# Altium PCB STM32F103_扩展板.PcbDoc (part 1 of 2)
Units mil, origin at the board's own origin, x right, y up, seen from the top; angles counter-clockwise.
Board outline 6903.02 x 6528.03 mil, 2 copper layers (Top Layer, Bottom Layer); 142 components, 183 nets, 483 pads, 206 vias.
Unrouted connection lines stored in the file: 5.
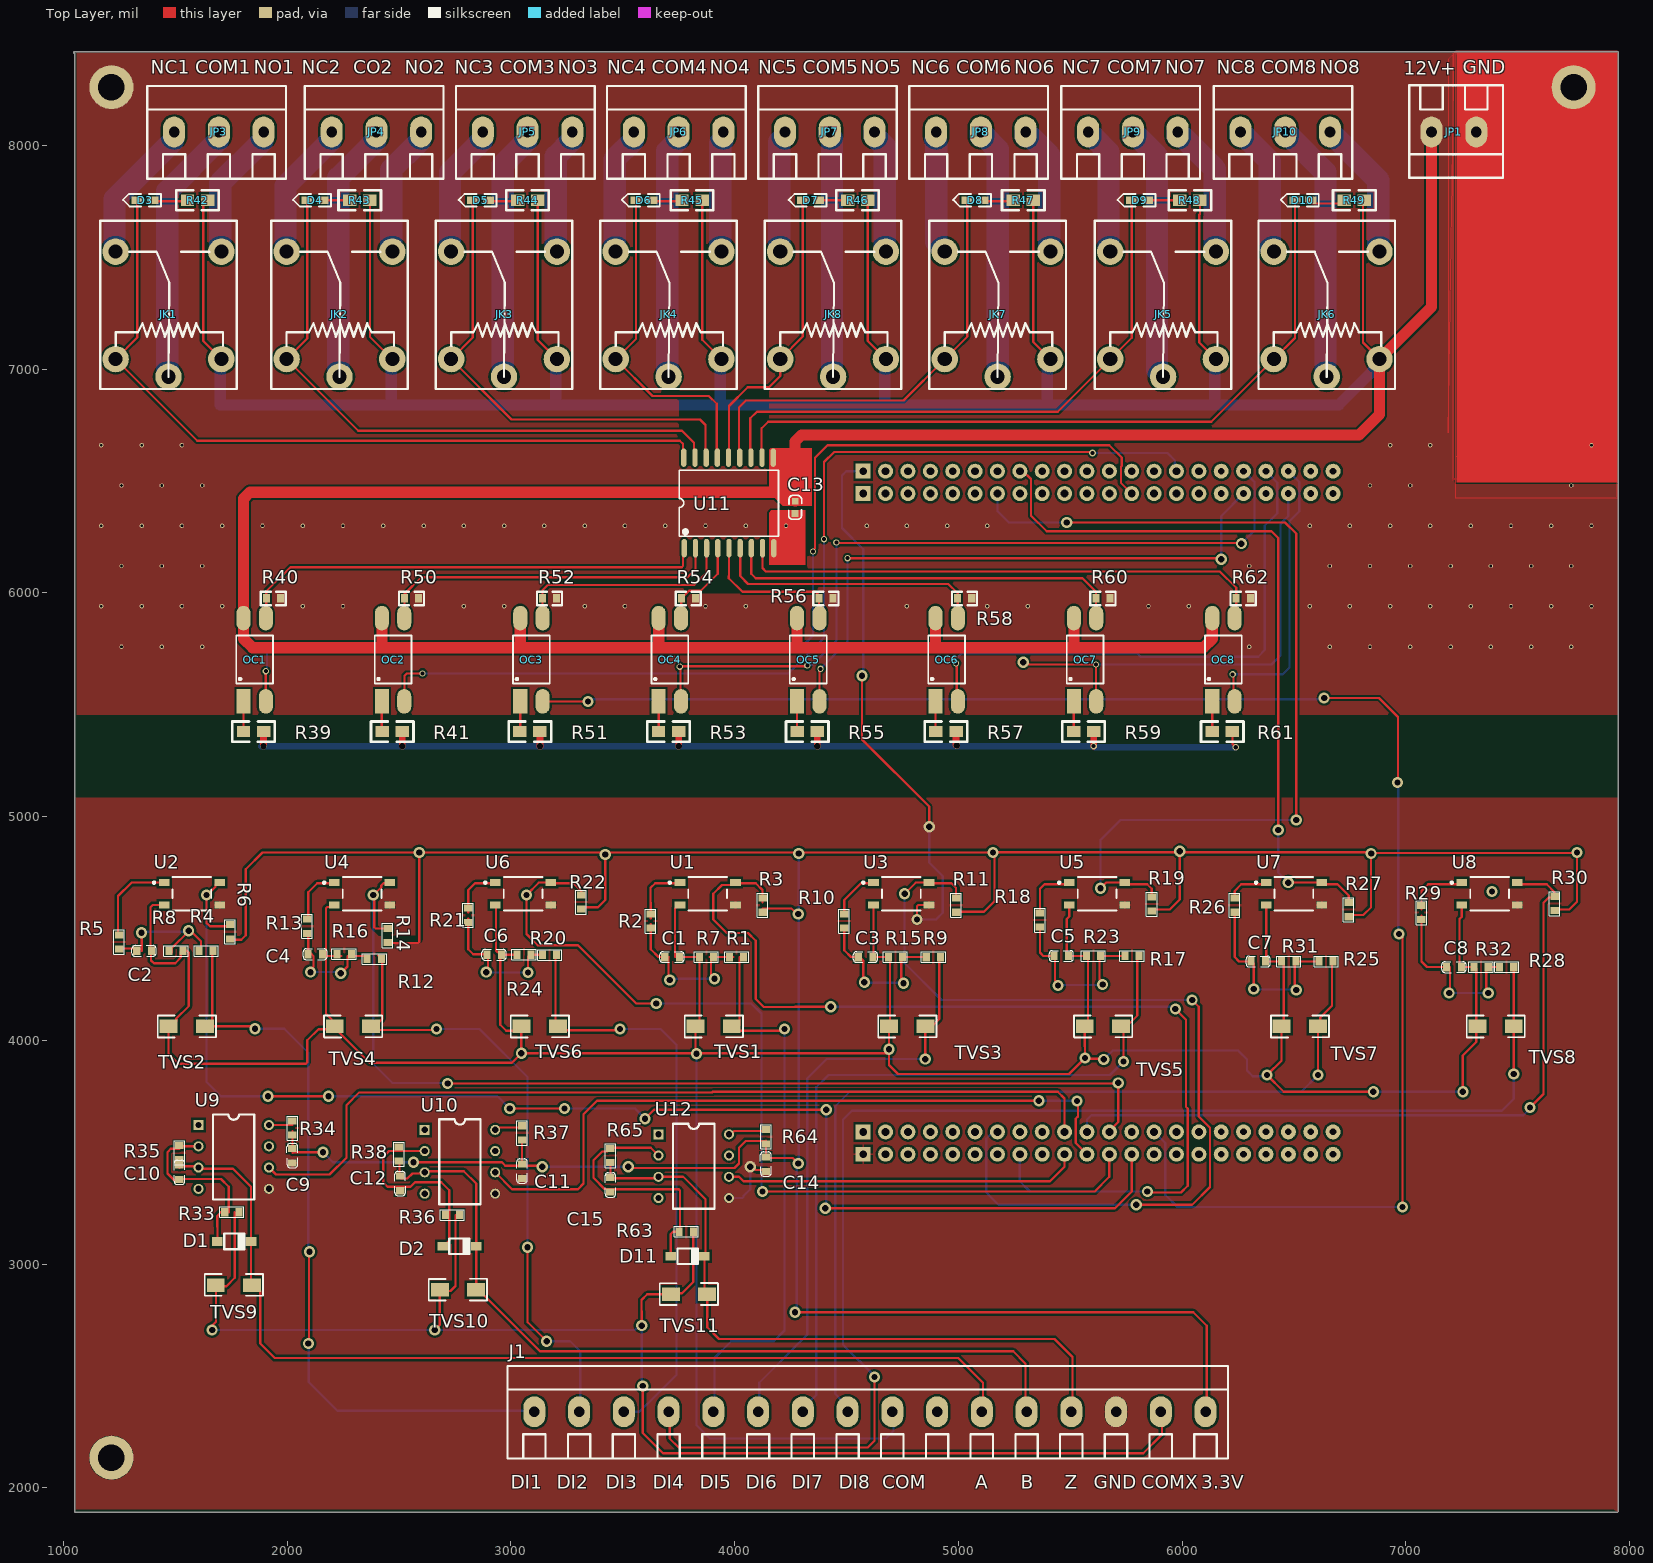
[diagram p0: Top Layer view]
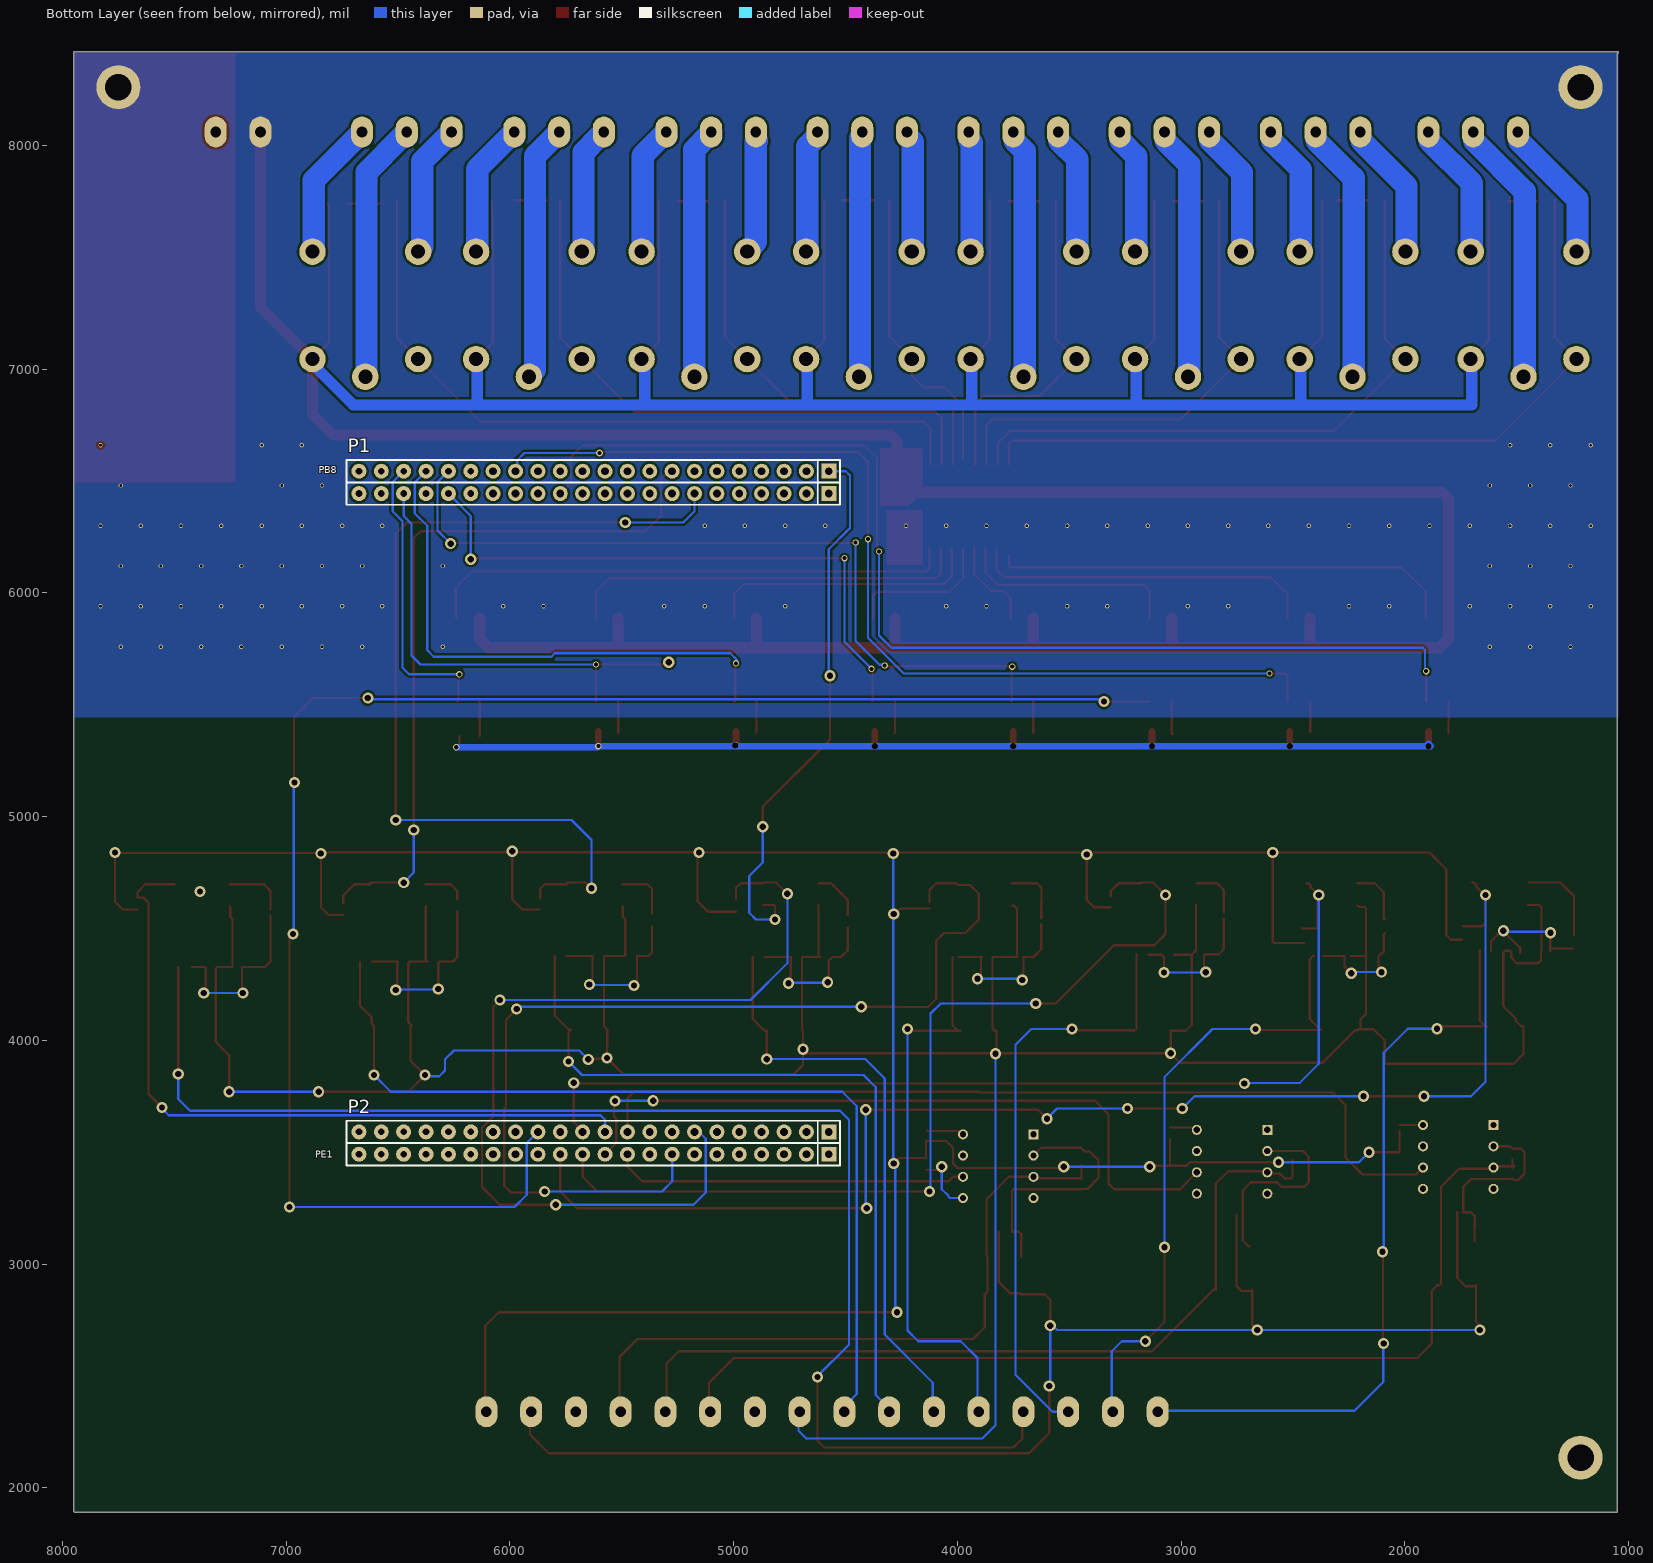
[diagram p1: Bottom Layer view, seen from below]

## Layer stack, top to bottom
Top Solder: solder mask 0.4, Solder Resist, Dk 3.5
Top Layer: signal copper 1.4
Dielectric 1: dielectric 12.6, FR-4, Dk 4.8
Bottom Layer: signal copper 1.4
Bottom Solder: solder mask 0.4, Solder Resist, Dk 3.5

## Board outline
1050.98,1895 1050.98,8410.98 1050,8410.98 cw(c1050,8415) 1050,8419.01 1055.07,8419.01 7945,8419.01 cw(c7945,8415) 7949.01,8415 7949.02,1895 cw(c7945,1895) 7945,1890.98 1055,1890.98 cw(c1055,1895)

## Design rules (kind name [scope] priority, off if disabled: settings)
Clearance Clearance_1 [InPolygon] p1 off: gap=0 ignorepadtopadclearanceinfootprint=FALSE
Clearance HV [InNamedPolygon('Bottom Layer-TOP')] p2 off: gap=10 ignorepadtopadclearanceinfootprint=FALSE except(0: Arc-Hole Track-Hole SMDPad-Hole THPad-Hole Via-Hole Fill-Hole Poly-Hole Region-Hole Text-Hole)
Clearance [All] p3: gap=10 ignorepadtopadclearanceinfootprint=FALSE except(0: Arc-Hole Track-Hole SMDPad-Hole THPad-Hole Via-Hole Fill-Hole Poly-Hole Region-Hole Text-Hole; 6: Arc-SMDPad Track-SMDPad SMDPad-SMDPad)
HoleSize [All] p1: absolutevalues=TRUE maxlimit=248.03 minlimit=7.87 maxpercent=80.000 minpercent=20.000
MinimumSolderMaskSliver [All] p1: minsoldermaskwidth=8
PolygonConnect [HasFootprint('HDR2.54-F-44P')] p1: connectstyle=Relief reliefconductorwidth=10 reliefentries=4 polygonreliefangle="90 Angle" airgapwidth=10
PolygonConnect PolygonConnect_2 [All vs IsNamedPolygon('Top Layer-UP')] p2: connectstyle=Direct reliefconductorwidth=10 reliefentries=4 polygonreliefangle="90 Angle" airgapwidth=10
PolygonConnect 01 [All vs IsNamedPolygon('Top Layer-DOWN')] p3 off: thpad.connectstyle=Relief thpad.reliefconductorwidth=10 thpad.reliefentries=4 thpad.polygonreliefangle="90 Angle" thpad.airgapwidth=10 smdpad.connectstyle=Relief smdpad.reliefconductorwidth=10 smdpad.reliefentries=4 smdpad.polygonreliefangle="90 Angle" smdpad.airgapwidth=10 via.connectstyle=Direct via.reliefconductorwidth=10 via.reliefentries=4 via.polygonreliefangle="90 Angle" via.airgapwidth=10
RoutingVias [All] p1: holewidth=28 width=50 viastyle="Through Hole" minholewidth=28 minwidth=50 maxholewidth=28 maxwidth=50
SilkToSilkClearance [All] p1: silktosilkclearance=0
SilkToSolderMaskClearance [IsPad] p1: minsilkscreentomaskgap=0 clearancetoexposedcopper=TRUE
SolderMaskExpansion [All] p1: expansion=4 istentingtop=FALSE
UnRoutedNet [All] p1: checkbadconnections=TRUE
Width [All] p1: maxlimit=500 minlimit=10 preferedwidth=10
25 further rules are at their usual default settings.

## Classes and differential pairs
component class 接口: P1 P2 P045_065
component class STM32F103_开关量输入-TLP521: C1 C2 C3 C4 C5 C6 C7 C8 C9 C10 C11 C12 C14 C15 C021_043 C041_034 C042_063 C045_043 C063_043 D1 D2 D11 D021_077 D043_077 J1 J046_023 R1 R2 R3 R4 R5 R6 R7 R8 R9 R10 R11 R12 R13 R14 R15 R015_034 R16 R17 R18 R19 R20 R21 R22 R022_043 R23 R24 R25 R025_034 R26 R27 R28 R028_045 R29 R30 R31 R32 R33 R033_046 R34 R35 R36 R37 R38 R040_043 R041_035 R041_046 R042_053 R044_045 R048_043 R056_043 R058_046 R061_053 R63 R64 R65 R066_043 R070_045 R073_043 R074_043 TVS1 TVS2 TVS3 TVS4 TVS5 TVS6 TVS7 TVS8 TVS9 TVS10 TVS11 TVS016_040 TVS057_039 U1 U2 U3 U4 U5 U6 U7 U8 U9 U10 U12 U023_046 U047_046 U065_046 U073_046
component class STM32F103_开关量输出: C13 C042_063 D3 D4 D5 D6 D7 D8 D9 D10 D021_077 D029_077 D037_030 D043_077 D058_077 JK1 JK2 JK3 JK4 JK5 JK6 JK7 JK8 JK012_070 JK019_070 JK027_070 JK034_070 JK064_070 JP1 JP3 JP4 JP5 JP6 JP7 JP8 JP9 JP10 JP014_080 JP021_080 JP028_080 JP035_080 JP042_080 JP049_080 JP055_080 JP062_080 OC1 OC2 OC3 OC4 OC5 OC6 OC7 OC8 OC018_055 OC024_055 OC030_055 OC036_055 OC042_055 OC048_055 OC055_055 OC061_055 P? R015_034 R017_053 R022_043 R031_077 R033_046 R036_053 R39 R40 R41 R041_035 R42 R042_053 R43 R44 R45 R46 R47 R48 R048_043 R048_053 R49 R50 R51 R52 R53 R54 R55 R055_053 R56 R57 R58 R59 R60 R61 R061_053 R62 R070_045 R073_043 R074_043 U11 U073_046

## Components (designator, comment, footprint, x,y, rotation, side; value= is the part's Value field where it differs from the comment)
C1 "104" CAP[0603] 3720,4372.47 r0 top
C2 "104" CAP[0603] 1360.31,4400 r0 top
C3 "104" CAP[0603] 4585,4372.47 r0 top
C4 "104" CAP[0603] 2125.31,4385 r0 top
C5 "104" CAP[0603] 5460,4377.47 r0 top
C6 "104" CAP[0603] 2925,4382.47 r0 top
C7 "104" CAP[0603] 6340,4352.47 r0 top
C8 "104" CAP[0603] 7215,4327.47 r0 top
C9 "104" CAP[0603] 2023.71,3485.07 r270 top
C10 "102" CAP[0603] 1518.71,3410.07 r90 top
C11 "104" CAP[0603] 3050,3416.22 r270 top
C12 "102" CAP[0603] 2505,3360 r90 top
C13 "100nF" 0603C 4269.65,6354.79 r90 top value=104
C14 "104" CAP[0603] 4140,3447.5 r270 top
C15 "102" CAP[0603] 3445,3353.62 r90 top
D1 "DIODE" SOD-123 1763.71,3101.29 r180 top
D2 "DIODE" SOD-123 2770,3080 r180 top
D3 "LED" LED-0603G 1400,7755 r180 top
D4 "LED" LED-0603G 2160,7755 r180 top
D5 "LED" LED-0603G 2900,7755 r180 top
D6 "LED" LED-0603G 3630,7755 r180 top
D7 "LED" LED-0603G 4375,7755 r180 top
D8 "LED" LED-0603G 5110,7755 r180 top
D9 "LED" LED-0603G 5845,7755 r180 top
D10 "LED" LED-0603G 6575,7755 r180 top
D11 "DIODE" SOD-123 3790,3035 r180 top
J1 "PIN16" KF128-5.08-16P 4605,2340 r0 top
JK1 "SRD-05VDC-SL-C" SRD-C_B 1233.66,7044.69 r90 top
JK2 "SRD-05VDC-SL-C" SRD-C_B 1997.92,7044.69 r90 top
JK3 "SRD-05VDC-SL-C" SRD-C_B 2733.28,7044.69 r90 top
JK4 "SRD-05VDC-SL-C" SRD-C_B 3468.64,7044.69 r90 top
JK5 "SRD-05VDC-SL-C" SRD-C_B 5678.96,7044.69 r90 top
JK6 "SRD-05VDC-SL-C" SRD-C_B 6410.08,7044.69 r90 top
JK7 "SRD-05VDC-SL-C" SRD-C_B 4939.36,7044.69 r90 top
JK8 "SRD-05VDC-SL-C" SRD-C_B 4204,7044.69 r90 top
JP1 "HF9500*2" KF128-5.08-2P 7315,8060 r180 top
JP3 "KF128-5.08-3P" KF128-5.08-3P 1495,8060 r0 top
JP4 "KF128-5.08-3P" KF128-5.08-3P 2199.26,8060 r0 top
JP5 "KF128-5.08-3P" KF128-5.08-3P 2874.62,8060 r0 top
JP6 "KF128-5.08-3P" KF128-5.08-3P 3549.98,8060 r0 top
JP7 "KF128-5.08-3P" KF128-5.08-3P 4225.34,8060 r0 top
JP8 "KF128-5.08-3P" KF128-5.08-3P 4900.7,8060 r0 top
JP9 "KF128-5.08-3P" KF128-5.08-3P 5580.3,8060 r0 top
JP10 "KF128-5.08-3P" KF128-5.08-3P 6261.18,8060 r0 top
OC1 "EL817A" SMD_PC817 1805,5515 r90 top
OC2 "EL817A" SMD_PC817 2423.57,5515 r90 top
OC3 "EL817A" SMD_PC817 3042.14,5515 r90 top
OC4 "EL817A" SMD_PC817 3660.71,5515 r90 top
OC5 "EL817A" SMD_PC817 4279.29,5515 r90 top
OC6 "EL817A" SMD_PC817 4897.86,5515 r90 top
OC7 "EL817A" SMD_PC817 5516.43,5515 r90 top
OC8 "EL817A" SMD_PC817 6135,5515 r90 top
P1 "H22x2" HDR2.54-F-44P 4525,6593.74 r0 bottom
P2 "H22x2" HDR2.54-F-44P 4525,3640.98 r0 bottom locked
R1 "2K" RES[0603] 4008.78,4372.47 r180 top
R2 "510" RES[0603] 3625,4532.47 r90 top
R3 "10K" RES[0603] 4125,4603.69 r90 top
R4 "2K" RES[0603] 1638.41,4400 r180 top
R5 "510" RES[0603] 1250,4439.68 r90 top
R6 "10K" RES[0603] 1745,4484.68 r90 top
R7 "10K" RES[0603] 3873.78,4372.47 r0 top
R8 "10K" RES[0603] 1503.41,4400 r180 top
R9 "2K" RES[0603] 4888.78,4372.47 r180 top
R10 "510" RES[0603] 4490,4532.47 r90 top
R11 "10K" RES[0603] 4990,4603.69 r90 top
R12 "2K" RES[0603] 2390.32,4365 r180 top
R13 "510" RES[0603] 2090,4509.68 r90 top
R14 "10K" RES[0603] 2450,4468.69 r90 top
R15 "10K" RES[0603] 4718.78,4372.47 r0 top
R16 "10K" RES[0603] 2254.68,4385 r0 top
R17 "2K" RES[0603] 5776.22,4377.47 r180 top
R18 "510" RES[0603] 5365,4537.47 r90 top
R19 "10K" RES[0603] 5865,4608.69 r90 top
R20 "2K" RES[0603] 3173.78,4382.47 r180 top
R21 "510" RES[0603] 2810,4558.69 r90 top
R22 "10K" RES[0603] 3315,4617.47 r90 top
R23 "10K" RES[0603] 5603.78,4377.47 r0 top
R24 "10K" RES[0603] 3058.78,4382.47 r0 top
R25 "2K" RES[0603] 6643.78,4352.47 r180 top
R26 "510" RES[0603] 6235,4603.69 r90 top
R27 "10K" RES[0603] 6745,4583.69 r90 top
R28 "2K" RES[0603] 7451.22,4327.47 r180 top
R29 "510" RES[0603] 7070,4571.25 r90 top
R30 "10K" RES[0603] 7665,4611.25 r90 top
R31 "10K" RES[0603] 6476.22,4352.47 r0 top
R32 "10K" RES[0603] 7336.22,4327.47 r0 top
R33 "2K" RES[0603] 1752.49,3231.29 r0 top
R34 "470" RES[0603] 2023.71,3607.51 r90 top
R35 "2K" RES[0603] 1518.71,3497.51 r90 top
R36 "2K" RES[0603] 2738.78,3220 r0 top
R37 "470" RES[0603] 3050,3586.22 r90 top
R38 "2K" RES[0603] 2500,3491.22 r90 top
R39 "500R" 0805R 1795,5380 r0 top value=1K
R40 "4.7K" 0603R 1907.01,5975 r0 top value=1K
R41 "500R" 0805R 2415,5380 r0 top value=1K
R42 "680R" 0805R 1655,7755 r180 top value=1K
R43 "680R" 0805R 2380,7755 r180 top value=1K
R44 "680R" 0805R 3130,7755 r180 top value=1K
R45 "680R" 0805R 3865,7755 r180 top value=1K
R46 "680R" 0805R 4605,7755 r180 top value=1K
R47 "680R" 0805R 5345,7755 r180 top value=1K
R48 "680R" 0805R 6090,7755 r180 top value=1K
R49 "680R" 0805R 6825,7755 r180 top value=1K
R50 "4.7K" 0603R 2525,5975 r0 top value=1K
R51 "500R" 0805R 3030,5380 r0 top value=1K
R52 "4.7K" 0603R 3142.01,5975 r0 top value=1K
R53 "500R" 0805R 3650,5380 r0 top value=1K
R54 "4.7K" 0603R 3762.01,5975 r0 top value=1K
R55 "500R" 0805R 4270,5380 r0 top value=1K
R56 "4.7K" 0603R 4377.01,5975 r0 top value=1K
R57 "500R" 0805R 4890,5380 r0 top value=1K
R58 "4.7K" 0603R 4997.01,5975 r0 top value=1K
R59 "500R" 0805R 5505,5380 r0 top value=1K
R60 "4.7K" 0603R 5615,5975 r0 top value=1K
R61 "500R" 0805R 6125,5380 r0 top value=1K
R62 "4.7K" 0603R 6242.01,5975 r0 top value=1K
R63 "2K" RES[0603] 3783.78,3145 r0 top
R64 "470" RES[0603] 4140,3568.78 r90 top
R65 "2K" RES[0603] 3445,3484.68 r90 top
TVS1 "" TVS 4037,4014 r180 top
TVS2 "" TVS 1682,4014 r180 top
TVS3 "" TVS 4902,4014 r180 top
TVS4 "" TVS 2424.93,4014 r180 top
TVS5 "" TVS 5777,4014 r180 top
TVS6 "" TVS 3259.56,4014 r180 top
TVS7 "" TVS 6657,4014 r180 top
TVS8 "" TVS 7532,4014 r180 top
TVS9 "" TVS 1631.71,2955.29 r0 top
TVS10 "" TVS 2633,2934 r0 top
TVS11 "" TVS 3665.44,2914.51 r0 top
U1 "TLP181(GB)" FP-11-4C1-MFG 3880,4655 r0 top
U2 "TLP181(GB)" FP-11-4C1-MFG 1574.63,4655 r0 top
U3 "TLP181(GB)" FP-11-4C1-MFG 4745,4655 r0 top
U4 "TLP181(GB)" FP-11-4C1-MFG 2335,4655 r0 top
U5 "TLP181(GB)" FP-11-4C1-MFG 5620,4655 r0 top
U6 "TLP181(GB)" FP-11-4C1-MFG 3055,4655 r0 top
U7 "TLP181(GB)" FP-11-4C1-MFG 6500,4655 r0 top
U8 "TLP181(GB)" FP-11-4C1-MFG 7375,4655 r0 top
U9 "PS8601" DIP8_8601 1603.71,3621.29 r0 top
U10 "PS8601" DIP8_8601 2615,3600 r0 top
U11 "ULN2803A" "SOP18 - 300mil" 3775,6198.19 r90 top
U12 "PS8601" DIP8_8601 3660,3580 r0 top

## Footprints (in the part's own frame and the unit in brackets; to place one, negate y for a bottom-side part, rotate by r counter-clockwise, add the part's x,y. Pads: shape width x height; smd on the part's side, far side on the other; paste and mask are expansions set on the pad)
0603C [mil]
  rect 30x30 smd: 1(0.21,-0.35) 2(55.21,-1.35)
  silkscreen extent -26,-30 81,28, body extent -1,-15 62,17, height 12
0603R [mm]
  rect 0.8x0.965 smd: 1(0,0) 2(1.6,0)
  silkscreen extent -0.64,-0.76 2.21,0.76, body extent -0.04,-0.41 1.56,0.41, height 0.45
0805R [mil]
  rect 60x50 smd: 1(10,0) 2(100,0)
  silkscreen extent -40,-45 150,45, body extent 11,-25 90,25, height 15
CAP[0603] [mm]
  rect 0.8x0.965 smd: 1(-0.818,0) 2(0.843,0)
  silkscreen extent -1.37,-0.62 1.38,0.61, body extent -0.77,-0.4 0.83,0.41, height 0.88
DIP8_8601 [mil]
  rect 45x45 hole 28: 1(0,0)
  round 45 hole 28: 2(0,-95) 3(0,-190) 4(0,-285) 5(315,-285) 6(315,-190) 7(315,-95) 8(315,0)
  silkscreen extent 65,-332 250,48
FP-11-4C1-MFG [mm]
  rect 1.2x0.8 smd paste+0 mask+0: 1(-3.15,1.27) 3(-3.15,-1.27) 4(3.15,-1.27) 6(3.15,1.27)
  silkscreen extent -4.42,-1.9 2.2,1.9, body extent -3.85,-2 3.85,2, height 0.25
HDR2.54-F-44P [mm]
  rect 1.7x1.7 hole 0.9: 1(1.27,3.81) 44(1.27,1.27)
  round 1.7 hole 0.9: 2(3.81,3.81) 3(6.35,3.81) 4(8.89,3.81) 5(11.43,3.81) 6(13.97,3.81) 7(16.51,3.81) 8(19.05,3.81) 9(21.59,3.81) 10(24.13,3.81) 11(26.67,3.81) 12(29.21,3.81) 13(31.75,3.81) 14(34.29,3.81) 15(36.83,3.81) 16(39.37,3.81) 29(39.37,1.27) 30(36.83,1.27) 31(34.29,1.27) 32(31.75,1.27) 33(29.21,1.27) 34(26.67,1.27) 35(24.13,1.27) 36(21.59,1.27) 37(19.05,1.27) 38(16.51,1.27) 39(13.97,1.27) 40(11.43,1.27) 41(8.89,1.27) 42(6.35,1.27) 43(3.81,1.27)
  round 1.7 hole 0.762: 17(41.91,3.81) 18(44.45,3.81) 19(46.99,3.81) 20(49.53,3.81) 21(52.07,3.81) 22(54.61,3.81) 23(54.61,1.27) 24(52.07,1.27) 25(49.53,1.27) 26(46.99,1.27) 27(44.45,1.27) 28(41.91,1.27)
  silkscreen extent 0,0 56.01,5.08, body extent 0,0 55.88,5.08, height 8.5
KF128-5.08-2P [mm]
  oval 2.5x3.5 hole 1.2: 1(0,0) 2(5.08,0)
  silkscreen extent -3.05,-5.31 7.62,5.21, body extent -3.05,-5.38 7.61,5.12, height 14.15
KF128-5.08-3P [mm]
  oval 2.5x3.5 hole 1.2: 1(0,0) 2(5.08,0) 3(10.16,0)
  silkscreen extent -3.05,-5.31 12.7,5.21, body extent -3.05,-5.38 12.69,5.12, height 14.15
KF128-5.08-16P [mm]
  oval 2.5x3.5 hole 1.2: 1(-38.1,0) 2(-33.02,0) 3(-27.94,0) 4(-22.86,0) 5(-17.78,0) 6(-12.7,0) 7(-7.62,0) 8(-2.54,0) 9(2.54,0) 10(7.62,0) 11(12.7,0) 12(17.78,0) 13(22.86,0) 14(27.94,0) 15(33.02,0) 16(38.1,0)
  silkscreen extent -41.15,-5.31 40.64,5.21, body extent -41.14,-5.3 40.64,5.2, height 14.15
LED-0603G [mil]
  rect 50x35 smd: 1(0,0.26) 2(70,0.26)
  silkscreen extent -36,-28 134,28, body extent 4,-15 66,17, height 24
RES[0603] [mm]
  rect 0.8x0.965 smd: 1(-0.792,0) 2(0.818,0)
  silkscreen extent -1.37,-0.58 1.37,0.61, body extent -0.78,-0.41 0.82,0.39, height 0.3
SMD_PC817 [mm]
  rect 2.8x1.6 smd mask+0: 1(0,0)
  oval 2.8x1.6 smd mask+0: 2(0,-2.54) 3(9.452,-2.54) 4(9.452,0)
  silkscreen extent 2.03,-3.36 7.49,0.82, body extent -0.3,-3.56 9.7,1.02, height 3.85
SOD-123 [mm]
  rect 1.2x1 smd: 1(1.905,0) 2(-1.905,0)
  silkscreen extent -1.14,-0.89 1.14,0.89
"SOP18 - 300mil" [mm]
  oval 2.1x0.6 smd: 1(0.046,0) 2(0.046,-1.27) 3(0.046,-2.54) 4(0.046,-3.81) 5(0.046,-5.08) 6(0.046,-6.35) 7(0.046,-7.62) 8(0.046,-8.89) 9(0.046,-10.16) 10(10.317,-10.109) 11(10.317,-8.839) 12(10.317,-7.569) 13(10.317,-6.299) 14(10.317,-5.029) 15(10.317,-3.759) 16(10.317,-2.489) 17(10.317,-1.219) 18(10.317,0.051)
  silkscreen extent 1.4,-10.72 8.9,0.56
SRD-C_B [mm]
  round 3 hole 1.6: 1(0,0) 2(0,-12) 3(-2,-6) 4(12.2,0) 5(12.2,-12)
  silkscreen extent -3.4,-13.75 15.7,1.75, body extent -3.33,-13.85 15.77,1.65, height 15.6
TVS [mil]
  rect 80x60 smd: 1(212,-49) 2(49.56,-49.51)
  silkscreen extent 0,-97 260,1

## Part data
C1 C2 C3 C4 C5 C6 C7 C8 C9 C10 C11 C12 C13 C14 C15: library part CAP, "Capacitor"
  C13: LatestRevisionDate=17-Jul-2002, LatestRevisionNote="Re-released for DXP Platform.", PackageReference=RAD-0.3, Published=8-Jun-2000, Publisher="Altium Limited"
D1 D2 D11: "Diode"
D3 D4 D5 D6 D7 D8 D9 D10: "LED 发光二极管"
JK1 JK2 JK3 JK4 JK5 JK6 JK7 JK8: "5V一组转换"
JP1: library part "HEADER 2"
JP3 JP4 JP5 JP6 JP7 JP8 JP9 JP10: library part "HEADER 3"
OC1 OC2 OC3 OC4 OC5 OC6 OC7 OC8: library part EL357N, "线性光耦"
R1 R2 R3 R4 R5 R6 R7 R8 R9 R10 R11 R12 R13 R14 R15 R16 R17 R18 R19 R20 R21 R22 R23 R24 R25 R26 R27 R28 R29 R30 R31 R32 R33 R34 R35 R36 R37 R38 R63 R64 R65: library part RES1
R39 R40 R41 R42 R43 R44 R45 R46 R47 R48 R49 R50 R51 R52 R53 R54 R55 R56 R57 R58 R59 R60 R61 R62: library part RES, "Resistor", Published=8-Jun-2000, Publisher="Altium Limited", Revision="July-2002: Re-released for DXP Platform."
TVS1 TVS2 TVS3 TVS4 TVS5 TVS6 TVS7 TVS8 TVS9 TVS10 TVS11: library part TVS
U1 U2 U3 U4 U5 U6 U7 U8: library part CMP-35887-000008-1, "OPTOCOUPLER TRANS 3.75KVRMS 6SO", Collector Emitter Voltage=80V, Emiiter Collector Voltage=7V, Forward Current=10mA, Forward Voltage=1.15V, Isolation Voltage=3750Vrms, Manufacturer=Toshiba, Max Current Transfer Ratio=600%, Max Junction Temp=+125°C, Max Supply Voltage=48V, Min Current Transfer Ratio=100%, Package=11-4C1, Power Dissipation=200mW, Reverse Voltage=5V, Temperature="-55°C to +110°C", Temperature Range High=+110°C, Temperature Range Low=-55°C, Automotive=No, Category=Trans, ComponentLink2Description=Datasheet, ComponentLink2URL=https://toshiba.semicon-storage.com/info/docget.jsp?did=16749&prodName=TLP181, Device Class L1=Optoelectronics, Device Class L2=Optocouplers, Device Class L3=unset, Footprint Url=https://toshiba.semicon-storage.com/eu/design-support/package/detail.4pin%20MFSOP6.html, Height=2.8mm, Ipc Land Pattern Name=SOP254P700X260-4, Lead Free=Yes, Manufacturer Part Number=TLP181(GB), Octopart=https://octopart.com/tlp181gb-toshiba-8180795, RoHS=TRUE, Standoff Height=0.1mm, Turn Off Delay Time=3us, Turn On Delay Time=3us
U9 U10 U12: "High speed optocoupler"
U11: "8 channels Darlington"

## Free pads (board coordinates)
  round 196.85 hole 118.11 paste+0 mask+0: 5(1215,2135) 5(1215,8260) 5(7750,8260)

## Via types
v1: diameter 50, hole 28, Top Layer to Bottom Layer, 96 vias
v2: diameter 19.68, hole 11.81, Top Layer to Bottom Layer, 89 vias
v3: diameter 28, hole 18, Top Layer to Bottom Layer, 13 vias
v4: diameter 28, hole 28, Top Layer to Bottom Layer, 6 vias
v5: diameter 30, hole 18, Top Layer to Bottom Layer, 2 vias

## Nets (pads, with @x,y where several pads share a name; then routed paths per layer and width w, separated by ;. In a path a pad name is that pad's centre, name@x,y a point inside that pad or via, vN(x,y) a via of type N, cw(c..) or ccw(c..) an arc to the next point about the centre after c; other vN are vias at no path point)
3.3V: R39.2 R41.2 R51.2 R53.2 R55.2 R57.2 R59.2 R61.2 | length 4867.2
  Top Layer w10: R61.2@6225,5360 6225,5325 v3(6240,5310)
  Top Layer w30: v4@1895,5325 R39.2@1895,5380 ; v4(2515,5315) R41.2@2515,5380 ; v4(3130,5315) R51.2@3130,5380 ; v4(3750,5315) R53.2@3750,5380 ; v4(4370,5315) R55.2@4370,5380 ; R57.2@4990,5380 4990,5320 v4(4992.5,5317.5) ; v5(5605,5315) R59.2@5605,5380
  Bottom Layer w30: v4@1885,5315 1895,5325 1905,5315 v4(2515,5315) v4(3130,5315) v4(3750,5315) 4990,5315 v4(4992.5,5317.5) 4995,5315 v5(5605,5315) 5610,5310 v3(6240,5310)
  other v4: 1895,5315
+3V3: C9.1 C11.1 C14.1 J1.16 R3.1 R6.1 R11.1 R14.1 R19.1 R22.1 R27.1 R30.1 R34.1 R37.1 R64.1 | length 15816.8
  Top Layer w10: R6.1@1745,4450 1795,4450 1815,4470 1815,4765 1890,4840 2590.37,4840 3422,4840 4287,4840 v1(5155,4840) v1@5162,4840 ; 2023.71,3500.38 2023.71,3593.73 ; 2025,3497.56 2025,3499.09 2025.91,3500 v1(2160,3500) ; R14.1@2450,4435 2584.51,4435 2590.37,4440.86 v1(2590.37,4839.95) ; v1(2565,3455) 2960,3455 2975,3440 3046.29,3440 C11.1@3050,3443.72 ; R37.1@3050,3558.72 C11.1@3050,3443.72 ; v1(3140,3435) 3135,3440 3053.72,3440 C11.1@3050,3443.72 ; R22.1@3317.43,4595 3390,4595 3422,4627 v1(3422,4830.47) ; v1(3525,3435) 3530,3430 4000,3430 4020,3450 4020,3520 4050,3550 4135,3550 4135.16,3550.16 4139.09,3550.16 4140,3551.06 4140,3538.46 4140,3475 4141.25,3473.75 4260.47,3473.75 4284.22,3450 v1(4285,3450) ; 4125,4589.92 4253.35,4589.92 4278.26,4565 v1(4285,4565) ; v1(4270,2785) 6050,2785 6110,2725 J1.16@6110,2340 ; R11.1@4989.66,4575 5115,4575 5162,4622 v1@5162,4840 ; R19.1@5868.23,4585 5945,4585 5990,4630 v1@5990,4840.47 ; v1(5990,4845) v1@5990,4840.47 ; R27.1@6746.11,4560 6810,4560 6845,4595 v1(6845,4835.47) 6847.26,4837.74 7762.74,4837.74 v1(7765,4840) 7765,4620 7730,4585 R30.1@7665.79,4585 ; v1@6845,4840.47 v1@5990,4840.47 ; v1@5162,4840 5162,4840.47 v1@5990,4840.47
  Bottom Layer w10: v1(2160,3500) 2205,3455 v1(2565,3455) ; v1(3140,3435) v1(3525,3435) ; v1(4270,2785) 4277.5,2792.5 v1@4277.5,3440.5 ; v1@4287,3450 v1(4287,4835.47)
+12_RELY: C13.2 JK1.2 JK2.2 JK3.2 JK4.2 JK5.2 JK6.2 JK7.2 JK8.2 JP1.2 OC1.4 OC2.4 OC3.4 OC4.4 OC5.4 OC6.4 OC7.4 OC8.4 R42.1 R43.1 R44.1 R45.1 R46.1 R47.1 R48.1 R49.1 U11.10 | length 25300.1
  Top Layer w10: R42.1@1625,7755 1625,7125.79 JK1.2@1706.1,7044.69 ; R43.1@2370,7755 2370,7145.04 JK2.2@2470.36,7044.69 ; R44.1@3120,7755 3120,7130.4 JK3.2@3205.72,7044.69 ; R45.1@3855,7755 3855,7130.76 JK4.2@3941.08,7044.69 ; R46.1@4595,7755 4595,7126.12 JK8.2@4676.44,7044.69 ; R47.1@5335,7755 5335,7121.48 JK7.2@5411.8,7044.69 ; R48.1@6080,7755 6080,7692.66 6077.34,7690 6077.34,7118.74 JK5.2@6151.4,7044.69 ; R49.1@6808.46,7736.73 R49.1@6808.46,7733.46 ; R49.1@6815,7740 R49.1@6808.46,7733.46 ; JK6.2@6882.52,7044.69 6808.46,7118.74 R49.1@6808.46,7733.46
  Top Layer w50: OC2.4@2423.57,5887.12 2423.57,5766.43 2435,5755 ; OC3.4@3042.14,5887.12 3042.14,5772.14 3025,5755 ; OC4.4@3660.71,5887.12 3660.71,5765.71 3650,5755 ; 4260,6625 4270,6635 4270,6675.71 4299.29,6705 6790,6705 6882.52,6797.52 JK6.2@6882.52,7044.69 7115,7277.17 JP1.2@7115,8060 ; C13.2@4271,6410 4231,6450 1834.29,6450 1805,6420.71 OC1.4@1805,5887.12 1805,5795 1845,5755 2435,5755 ; OC5.4@4279.29,5887.12 4279.29,5759.29 4275,5755 ; OC6.4@4897.86,5887.12 4897.86,5757.14 4900,5755 ; OC7.4@5516.43,5887.12 5516.43,5766.43 5505,5755 ; OC8.4@6135,5887.12 6135,5795 6095,5755 5505,5755 ; 2435,5755 3025,5755 ; 3025,5755 3650,5755 ; 3650,5755 4275,5755 ; 4275,5755 4900,5755 ; 4900,5755 5505,5755
  Bottom Layer w50: JK1.2@1701.1,7064.69 1701.1,6840 2480,6840 ; JK2.2@2465.36,7064.69 2465.36,6854.64 2480,6840 ; JK3.2@3200.72,7064.69 3200.72,6844.28 3205,6840 ; JK4.2@3936.08,7064.69 3936.08,6853.92 3950,6840 ; JK8.2@4671.44,7064.69 4671.44,6846.44 4665,6840 ; JK7.2@5397.5,7055.39 5397.5,6840 ; JK5.2@6146.4,7064.69 6146.4,6856.4 6130,6840 ; JK6.2@6877.52,7064.69 6877.52,7017.52 6700,6840 6130,6840 ; 2480,6840 3205,6840 ; 3205,6840 3950,6840 ; 3950,6840 4665,6840 ; 4665,6840 5397.5,6840 ; 5397.5,6840 6130,6840
A: C10.2 D1.2 J1.11 R35.1 TVS9.1 U9.3 | length 4564.3
  Top Layer w10: C10.2@1518.71,3429.44 1518.71,3433.38 1511.7,3437.57 C10.2@1518.71,3437.57 ; R35.1@1518.71,3470.01 C10.2@1518.71,3437.57 ; TVS9.1@1843.71,2906.29 1838.71,2911.29 D1.2@1838.71,3101.29 1838.71,3346.29 1758.71,3426.29 1608.71,3426.29 1598.11,3436.89 1519.39,3436.89 C10.2@1518.71,3437.57 ; TVS9.1@1845,2905 1855,2905 1880,2880 1880,2645 1945,2580 5000,2580 5110,2470 J1.11@5110,2340
B: C12.2 D2.2 J1.12 R38.1 TVS10.1 U10.3 | length 3742.4
  Top Layer w10: R38.1@2500,3463.72 2502.5,3461.22 2502.5,3390 2510,3382.5 2537.5,3382.5 2560,3405 2610,3405 U10.3@2615,3410 2620,3415 2790,3415 2845,3360 D2.2@2845,3080 TVS10.1@2845,2885 2855,2885 3130,2610 5245,2610 5300,2555 5300,2350 J1.12@5310,2340
COMX0: J1.15 R33.2 R36.2 R63.2 TVS9.2 TVS10.2 TVS11.2 | length 6705.1
  Top Layer w10: v1@1650,2710 1682.56,2742.56 TVS9.2@1682.56,2904.49 ; TVS9.2@1681.27,2905.78 1685.76,2901.29 1728.71,2901.29 1766.27,2938.85 1766.27,3231.29 ; v1(2660,2705) 2682.56,2727.56 TVS10.2@2682.56,2884.49 2687.05,2880 2730,2880 2752.56,2902.56 2752.56,3220 ; v1(3585,2725) 3585,2790.88 3584.14,2791.74 3584.14,2839.14 3610,2865 TVS11.2@3715,2865 3720,2870 3765,2870 3815,2920 R63.2@3815,3145.05 ; v1(3590,2455) 3590,2245 3680,2155 5826.72,2155 5910,2238.28 J1.15@5910,2340
  Bottom Layer w10: v1(1665,2705) v1(2660,2705) 3554.18,2705 3574.18,2725 v1(3585,2725) 3585,2460 v1(3590,2455) v1@3595,2450
DUL1: OC1.3 R40.1 U11.1 | length 2080
  Top Layer w10: OC1.3@1905,5887.12 1907.01,5889.13 R40.1@1907.01,5975 1907.01,6007.01 2015,6115 3764.14,6115 3770,6120.86 3770,6145 U11.1@3770,6170
DUL2: OC2.3 R50.1 U11.2 | length 1549
  Top Layer w10: OC2.3@2523.57,5887.12 2525,5888.55 R50.1@2525,5975 2525,5995 2600,6070 3790,6070 3825,6105 U11.2@3825,6200
DUL3: OC3.3 R52.1 U11.3 | length 1000.2
  Top Layer w10: OC3.3@3142.14,5887.12 3142.01,5887.25 R52.1@3142.01,5975 3142.01,6012.01 3165,6035 3820,6035 3875,6090 U11.3@3875,6200
DUL4: OC4.3 R54.1 U11.4 | length 412
  Top Layer w10: OC4.3@3760.71,5887.12 3762.01,5888.41 R54.1@3762.01,5975 3796,6009 3849,6009 3925,6085 U11.4@3925,6200
DUL5: OC5.3 R56.1 U11.5 | length 671.4
  Top Layer w10: U11.5@3975,6200 3975,6075 3974.14,6074.14 3974.14,6065.86 4035,6005 4360,6005 4377.01,5987.99 R56.1@4377.01,5975 4377.01,5889.4 OC5.3@4379.29,5887.12
DUL6: OC6.3 R58.1 U11.6 | length 1240.1
  Top Layer w10: U11.6@4025,6200 4025,6075 4060,6040 4955,6040 4997.01,5997.99 R58.1@4997.01,5975 4997.01,5887.97 OC6.3@4997.86,5887.12
DUL7: OC7.3 R60.1 U11.7 | length 1806.6
  Top Layer w10: U11.7@4075,6200 4075,6085 4095,6065 5555,6065 5615,6005 R60.1@5615,5975 5615,5888.55 OC7.3@5616.43,5887.12
DUL8: OC8.3 R62.1 U11.8 | length 2381.3
  Top Layer w10: U11.8@4125,6200 4125,6110.86 4140.86,6095 6170,6095 6242.01,6022.99 R62.1@6242.01,5975 6242.01,5894.13 OC8.3@6235,5887.12
GND: C9.2 C11.2 C14.2 J1.14 P1.44 P2.1 pad.5@1215,2135 U1.4 U2.4 U3.4 U4.4 U5.4 U6.4 U7.4 U8.4 U9.5 U10.5 U12.5 | length 2779.4
  Top Layer w10: v1(4070,3435) 4080.82,3435 4095.82,3420 C14.2@4140,3420 ; v1(4570,5630) 4570,5345 4870,5045 v1(4870,4955) ; v1(4815,4540) 4815,4599.14 4820.86,4605 U3.4@4869.02,4605
  Bottom Layer w10: U12.5@3975,3295 4034.14,3295 4040,3300.86 4040,3305 4070,3335 v1(4070,3435) ; v1@4575,5630 4575,6195 4480,6290 4480,6525 4498.74,6543.74 P1.44@4575,6543.74 ; v1(4815,4540) 4900,4540 4930,4570 4930,4735 4870,4795 v1(4870,4955)
GND_RELY: C13.1 JP1.1 pad.5@1215,8260 pad.5@7750,8260 R40.2 R50.2 R52.2 R54.2 R56.2 R58.2 R60.2 R62.2 U11.9
  other v2: 1260,5760 1440,5760 1620,5760 6300,5760 6660,5760 6840,5760 7020,5760 7200,5760 7380,5760 7560,5760 7740,5760 1170,5940 1350,5940 1530,5940 1710,5940 2070,5940 2250,5940 2790,5940 2970,5940 3330,5940 3510,5940 3870,5940 4050,5940 4770,5940 5130,5940 5310,5940 5850,5940 6030,5940 6570,5940 6750,5940 6930,5940 7110,5940 7290,5940 7470,5940 7650,5940 7830,5940 1260,6120 1440,6120 1620,6120 6300,6120 6660,6120 6840,6120 7020,6120 7200,6120 7380,6120 7560,6120 7740,6120 1170,6300 1350,6300 1530,6300 1710,6300 1890,6300 2070,6300 2250,6300 2430,6300 2610,6300 2790,6300 2970,6300 3150,6300 3330,6300 3510,6300 3690,6300 3870,6300 4050,6300 4230,6300 4590,6300 4770,6300 4950,6300 5130,6300 6570,6300 6750,6300 6930,6300 7110,6300 7290,6300 7470,6300 7650,6300 7830,6300 1260,6480 1440,6480 1620,6480 6840,6480 7020,6480 7740,6480 1170,6660 1350,6660 1530,6660 6930,6660 7110,6660 7830,6660
M: C1.2 C2.2 C3.2 C4.2 C5.2 C6.2 C7.2 C8.2 J1.9 R7.1 R8.1 R15.1 R16.1 R23.1 R24.1 R31.1 R32.1 TVS1.1 TVS2.1 TVS3.1 TVS4.1 TVS5.1 TVS6.1 TVS7.1 TVS8.1 U1.3 U2.3 U3.3 U4.3 U5.3 U6.3 U7.3 U8.3 | length 15528.9
  Top Layer w10: C2.2@1389.63,4400 1389.63,4595 1399.63,4605 U2.3@1450.62,4605 ; C2.2@1392.19,4400 1392.19,4357.44 1404.63,4345 1500,4345 1525,4370 1525,4394.09 1530.91,4400 1552.47,4400 1560,4392.47 1560,4153 1505,4098 1505,4088 1480,4063 TVS2.1@1470,4063 1470,3940 1515.86,3894.14 1524.14,3894.14 1525,3895 2084.14,3895 2090,3900.86 2090,4000 2140,4050 TVS4.1@2198.4,4050 ; C4.2@2172.5,4377.47 C4.2@2173.41,4377.47 ; C4.2@2172.5,4377.48 2173.41,4378.38 2173.41,4590.28 2179.26,4596.14 2204.65,4596.14 U4.3@2210.98,4602.47 ; 2242.44,4377.47 C4.2@2173.41,4377.47 ; U6.3@2930.98,4605 2933.68,4602.31 2933.68,4401.3 C6.2@2952.5,4382.48 ; R24.1@3031.28,4382.47 2952.5,4382.47 2952.5,4069.97 2980,4042.47 TVS6.1@3047.05,4042.47 ; TVS6.1@3047.56,4041.96 TVS6.1@3047.05,4042.47 ; U1.3@3755.98,4602.47 3748.11,4602.47 3733.78,4588.14 3733.78,4372.47 3750.32,4372.47 3843.46,4372.47 3843.46,4050.94 3835,4042.47 3825,4042.47 3825,3949.09 v1@3817.95,3942.05 ; U3.3@4620.98,4605 4620.98,4380.96 4612.5,4372.47 4691.28,4372.47 4695,4368.76 4695,4047.47 4690,4042.47 v1(4690,3960) 4690,3890 4730,3850 5495,3850 v1(5565.86,3920.86) ; v1@4684.14,3942.05 v1@3817.95,3942.05 ; U5.3@5495.98,4597.47 5495.98,4553.46 5485,4542.47 5485,4379.98 5487.5,4377.47 5576.28,4377.47 5580,4373.76 5580,4062.47 5565,4047.47 5565,3972.1 5565.86,3971.24 v1(5565.86,3920.86) ; v1(5650,3915) 5647.07,3917.93 5568.79,3917.93 v1(5565.86,3920.86) ; C7.2@6367.5,4352.47 6448.72,4352.47 6455,4346.2 6455,4082.47 TVS7.1@6439.14,4066.62 ; C7.2@6370.32,4352.47 6375.98,4358.14 U7.3@6375.98,4597.47 ; TVS7.1@6445,4063 6445,3910 v1(6380,3845) 6455,3770 v1(6855,3770) ; U8.3@7250.98,4597.47 7250,4596.49 7250,4552.47 7240,4542.47 7240,4329.98 7242.5,4327.47 7308.73,4327.47 7315,4321.2 7315,4063 7315,3992.47 7255,3932.47 v1(7255,3770) ; C4.2@2173.41,4377.47 2173.41,4119.01 2198.4,4094.01 TVS4.1@2198.4,4050 ; TVS4.1@2198.4,4050 2208.4,4050 2212.93,4045.47 2222.93,4045.47 2368.4,3900 3005,3900 v1(3047.05,3942.05) ; v1(3047.05,3942.05) TVS6.1@3047.05,4042.47 ; v1(3047.05,3942.05) v1@3817.95,3942.05
  Bottom Layer w10: v1(3830,3940) 3830,2280 3890,2220 4675,2220 4710,2255 J1.9@4710,2340 ; v1(5565.86,3920.86) v1@5568.79,3917.93 ; v1@5647.07,3917.93 v1(5650,3915) 5690,3955 6250,3955 6290,3915 6290,3865 6315.86,3839.14 6374.14,3839.14 v1(6380,3845) ; v1(6855,3770) v1(7255,3770)
NC: U9.1 U9.4 U10.1 U10.4 U12.1 U12.4